# Altium PCB H3_PCB_20191213_V2.PcbDoc (part 3 of 4)
Units mil, origin at the board's own origin, x right, y up, seen from the top; angles counter-clockwise.
Board outline 3705.03 x 2350.03 mil, 4 copper layers (Top Layer, PWR, GND, Bottom Layer), stack 30.634 mil thick; 134 components, 150 nets, 995 pads, 670 vias.
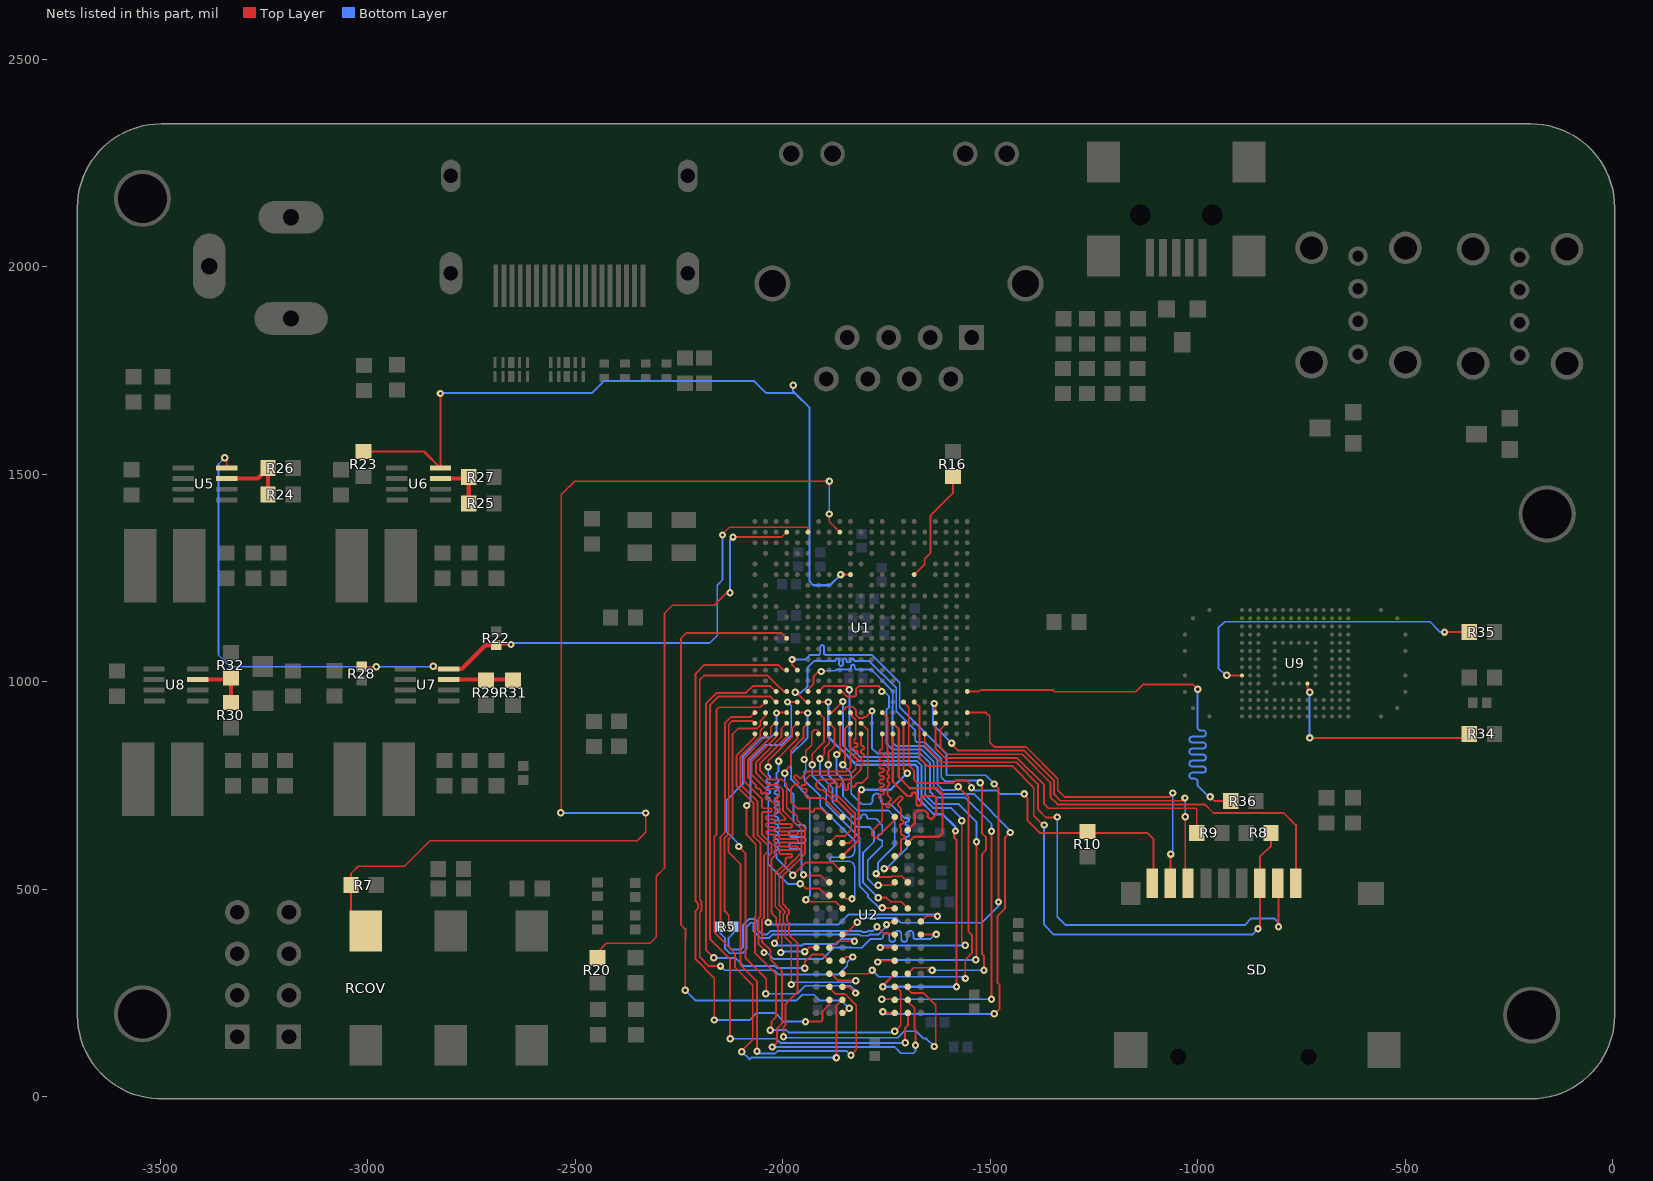
[diagram p5: the nets of this part, all layers, seen from the top]

## Via types
v1: diameter 17.72, hole 7.87, Top Layer to Bottom Layer, 666 vias
v2: diameter 25.59, hole 15.75, Top Layer to Bottom Layer, 4 vias

## Nets (pads, with @x,y where several pads share a name; then routed paths per layer and width w, separated by ;. In a path a pad name is that pad's centre, name@x,y a point inside that pad or via, vN(x,y) a via of type N, cw(c..) or ccw(c..) an arc to the next point about the centre after c; other vN are vias at no path point) (continued)
NetR16_1: R16.1 U1.F6 | length 274.8
  Top Layer w4.5: U1.F6@-1683.23,1258.54 -1657.76,1284.01 -1657.76,1297 -1644.21,1310.55 -1644.21,1400.79 -1590,1455 R16.1@-1590,1494.69
NetR24_2: R24.2 R26.1 U5.7 | length 173.5
  Top Layer w10: U5.7@-3340,1490 -3265.31,1490 R26.1@-3240.31,1515 R24.2@-3240.32,1451.5
NetR25_2: R25.2 R27.1 U6.7 | length 133.1
  Top Layer w10: U6.7@-2825,1490 -2759.84,1490 R27.1@-2756.57,1493.27 R25.2@-2756.57,1430
NetR29_2: R29.2 R31.1 U7.7 | length 155.8
  Top Layer w10: U7.7@-2805,1005.67 -2651.96,1005.67 R31.1@-2650,1003.71
NetR30_2: R30.2 R32.1 U8.7 | length 140.2
  Top Layer w10: U8.7@-3410,1005.67 R32.1@-3337.6,1005.67 ; R30.2@-3330,950.32 -3330,998.06 R32.1@-3337.6,1005.67 ; R32.1@-3330,1009.69 -3334.02,1005.67 R32.1@-3337.6,1005.67
NetR34_1: R34.1 U9.T5 | length 524.1
  Top Layer w4.5: U9.T5@-735.5,995.8 -735.5,976.5 -734,975 v1(-730,975) ; v1(-730,865) -354.99,865 R34.1@-345.31,874.68
  Bottom Layer w4.5: v1(-730,865) v1(-730,975)
NetR35_1: R35.1 U9.H6 | length 783.5
  Top Layer w4.5: v1(-930,1015.69) -929.81,1015.5 U9.H6@-893,1015.5 ; v1(-405,1120) R35.1@-345.31,1120
  Bottom Layer w4.5: v1@-929.31,1015 v1(-930,1015.69) -932.69,1015.69 -950,1033 -950,1130 -935,1145 -440,1145 -415,1120 v1(-405,1120)
NetR36_1: R36.1 U1.A17 | length 1165.9
  Top Layer w4.5: U1.A17@-1555.27,977.05 -1526.95,977.05 -1524,980 -1348.42,980 -1344.77,976.35 -1149.02,976.35 -1131.57,993.8 -1011.51,993.8 v1(-1000,982.29) ; v1(-970,723.1) -959.4,712.5 R36.1@-920.31,712.5
  Bottom Layer w4.5: v1(-1000,982.29) -1000,890 ccw(c-992.75,890) -992.75,882.75 -987.25,882.75 cw(c-987.25,875.5) -980,875.5 cw(c-987.25,875.5) -987.25,868.25 -1000,868.25 -1012.75,868.25 ccw(c-1012.75,861) -1020,861 ccw(c-1012.75,861) -1012.75,853.75 -1000,853.75 -987.25,853.75 cw(c-987.25,846.5) -980,846.5 cw(c-987.25,846.5) -987.25,839.25 -1000,839.25 -1012.75,839.25 ccw(c-1012.75,832) -1020,832 ccw(c-1012.75,832) -1012.75,824.75 -1000,824.75 -987.25,824.75 cw(c-987.25,817.5) -980,817.5 cw(c-987.25,817.5) -987.25,810.25 -1000,810.25 -1012.75,810.25 ccw(c-1012.75,803) -1020,803 ccw(c-1012.75,803) -1012.75,795.75 -1000,795.75 -987.25,795.75 cw(c-987.25,788.5) -980,788.5 cw(c-987.25,788.5) -987.25,781.25 -1000,781.25 -1012.75,781.25 ccw(c-1012.75,774) -1020,774 ccw(c-1012.75,774) -1012.75,766.75 -1007.25,766.75 cw(c-1007.25,759.5) -1000,759.5 -1000,755 -1000,750 -970,720 v1(-970,723.1)
PWR_DRAM: R23.2 U1.M6 U6.8 | length 1862.3
  Top Layer w5: R23.2@-3010,1555.32 -2864.65,1555.32 U6.8@-2825,1515.67 v1(-2825,1695) ; v1(-1860.5,1258.54) U1.M6@-1836.77,1258.54
  Bottom Layer w5: v1(-2825,1695) -2824.04,1695.96 -2460,1695.96 -2430.96,1725 -2069.04,1725 -2040,1695.96 -1970.42,1695.96 ; v1(-1974.47,1715) -1975,1714.47 -1975,1700.53 -1970.42,1695.96 ; v1(-1860.5,1258.54) -1886.09,1232.95 -1926.14,1232.95 -1935.29,1242.1 -1935.29,1660.83 -1970.42,1695.96
PWR_LED: R20.1 U1.V2 | length 1408.6
  Top Layer w4: R20.1@-2446.52,335.31 -2446.52,348.6 -2425.12,370 -2320,370 -2305,385 -2305,531.63 -2285,551.63 -2285,1165.5 -2265.5,1185 -2165,1185 -2135,1215 v1(-2127.12,1215) ; v1(-2120,1349) -2002.21,1349 U1.V2@-1990.31,1360.9
  Bottom Layer w4: v1(-2127.12,1215) -2127.12,1341.88 v1(-2120,1349)
PWR_STB: R22.2 R28.2 U1.T2 U5.8 U7.8 | length 2268.8
  Top Layer w4: v1(-3345,1540) -3340,1535 U5.8@-3340,1515.67 ; R28.2@-3015,1036.73 v1(-2979.46,1036.73) ; v1(-2842.54,1038) -2835.87,1031.33 U7.8@-2805,1031.33 ; R22.2@-2690,1088.27 -2688.27,1090 v1(-2655,1090) ; v1(-2145,1353.86) -2145,1356 -2128.36,1372.64 -2072.19,1372.64 -2072.02,1372.81 -1985.38,1372.81 -1985.21,1372.64 -1969.82,1372.64 -1969.65,1372.81 -1941.8,1372.81 -1939.13,1370.13 U1.T2@-1939.13,1360.9
  Top Layer w10: U7.8@-2805,1031.33 -2773.67,1031.33 -2716.73,1088.27 R22.2@-2690,1088.27
  Bottom Layer w4: v1(-3345,1540) -3360,1525 -3360,1065 -3331.73,1036.73 v1(-2979.46,1036.73) -2841.27,1036.73 v1(-2842.54,1038) ; v1(-2655,1090) -2651.25,1093.75 -2176.17,1093.75 -2158,1111.92 -2158,1233 -2145,1246 v1(-2145,1353.86)
RECOVERY: R7.2 RCOV.1 U1.N2 | length 2716.6
  Top Layer w4: RCOV.1@-3005,400 -3040.32,435.32 R7.2@-3040.32,510 -3040.32,538.26 -3022.97,555.6 -2911.65,555.6 -2850,617.25 -2350.27,617.25 -2330,637.52 v1(-2330,684) ; v1(-2535,684.5) -2533.48,686.02 -2533.48,1451.52 -2501.39,1483.61 v1(-1887.48,1483.61) ; v1(-1888.13,1404.66) -1888.13,1386.67 U1.N2@-1862.36,1360.9
  Bottom Layer w4: v1(-2535,684.5) -2534.5,684 v1(-2330,684) ; v1(-1888.13,1404.66) -1888.13,1482.96 v1(-1887.48,1483.61)
SA0: U1.T17 U2.N3 | length 1432.2
  Top Layer w4.5: U1.T17@-1939.13,977.05 -1939.13,981.38 -1926.19,994.31 -1926.19,1012.74 -1913.93,1025 v1@-1908.64,1025 ; U2.N3@-1855.98,296.54 -1793.04,296.54 v1(-1784.57,305) ; v1(-1577.04,746.96) -1551.96,721.88 -1551.96,398.09 -1544,390.13 -1544,346.27 -1560,330.27 -1560,284.71 v1(-1559.71,285)
  Bottom Layer w4.5: v1(-1907.45,1025) -1905.55,1026.9 -1872.87,1026.9 -1869.77,1030 -1840,1030 ccw(c-1840,1034.5) -1835.5,1034.5 -1835.5,1037 cw(c-1831,1037) -1831,1041.5 cw(c-1831,1037) -1826.5,1037 -1826.5,1034.5 ccw(c-1822,1034.5) -1822,1030 -1820,1030 -1787.23,1030 -1734.94,977.72 -1734.94,941.68 -1735,941.63 -1735,852.99 -1727.65,845.64 -1661.7,845.64 -1627,810.94 -1627,752 -1614,739 -1585,739 v1(-1577.04,746.96) ; v1(-1784.57,305) -1768.97,289.39 v1@-1559.71,289.39
SA1: U1.U18 U2.P7 | length 1349.3
  Top Layer w4.49: v1(-2086.99,702) -2086.99,631.02 -2065,609.03 -2065,435.4 -2067.1,433.3 -2067.1,347.1 -2016.46,296.46 -2016.46,191.92 -2026.85,181.53 -2026.85,163.52 v1(-2029.77,160.6) ; v1(-1988.54,951.46) v1@-1985,951.46 ; v1(-1730,157.93) -1715.38,172.54 -1715.38,254.11 -1726.32,265.04 U2.P7@-1730,265.04
  Top Layer w4.5: v1@-1985,951.46 U1.U18@-1964.72,951.46
  Bottom Layer w4.49: v1(-2086.99,702) -2077.99,710.99 -2077.99,812.45 -2042.45,847.99 -2002.45,847.99 -1979.39,871.06 -1979.39,942.31 v1(-1988.54,951.46) ; v1(-2029.77,160.6) -1991.54,160.6 -1985.94,155 -1730,155 v1(-1730,157.93)
SA2: U1.V19 U2.P3 | length 1085.1
  Top Layer w4.5: v1(-2106.17,603.25) -2090,587.08 -2090,335 -2039.71,284.71 -2039.71,249.69 v1(-2040.95,248.45) ; v1(-2015,925) -2014.13,925.87 U1.V19@-1990.31,925.87 ; U2.P3@-1855.98,265.04 -1839.43,265.04 v1(-1824.39,250)
  Bottom Layer w4.5: v1(-2106.17,603.25) -2100,603.25 -2135,638.25 -2135,715 -2095.99,754.01 -2095.99,819.91 -2049.91,865.99 -2029.01,865.99 -2015,880 v1(-2015,925) ; v1(-2040.95,248.45) -1964.55,248.45 -1945.26,267.74 -1836.78,267.74 -1824.39,255.35 v1(-1824.39,250)
SA3: U1.V20 U2.N2 | length 989.1
  Top Layer w4.5: U1.V20@-1990.31,900.28 -2002.97,887.63 -2002.97,867.49 -2064,806.46 -2064,779.86 -2035.64,751.5 -2010.8,751.5 -1999.31,740.01 -1999.31,689.12 -1954.42,644.23 -1954.42,589.01 -1975.16,568.27 -1976.07,568.27 -2008.5,535.84 -2008.5,461.21 -1993.8,446.51 -1993.8,444.59 -1998.61,439.78 -1998.61,420.22 -1993.8,415.41 -1993.8,384.23 -1979.39,369.82 v1(-1979.39,270.61) ; U2.N2@-1887.48,296.54 -1882.81,296.54 -1866.27,280 v1(-1823.84,280)
  Bottom Layer w4.5: v1(-1979.39,270.61) -1973.76,276.24 -1827.6,276.24 v1(-1823.84,280)
SA4: U1.V21 U2.P8 | length 1454.6
  Top Layer w4.5: v1(-1998,145) -1998,167.9 -1995.74,170.17 -1994.99,170.17 -1994.99,170.92 -1993.25,172.66 -1993.25,223.75 -1964.28,252.72 -1964.28,369.8 -1985.3,390.82 -1985.3,418.93 -1990.11,423.74 -1990.11,436.26 -1985.3,441.07 -1985.3,450.03 -2000,464.73 -2000,532.32 -1972.55,559.77 -1971.64,559.77 -1945.92,585.49 -1945.92,647.75 -1965.07,666.9 -1965.07,676.07 -1975,686 -1979.66,686 -1990.31,696.65 -1990.31,752.86 -2001.75,764.3 -2032.59,764.3 -2055,786.71 -2055,802.73 -1990.31,867.42 U1.V21@-1990.31,874.68 ; U2.P8@-1698.5,265.04 -1698.5,259.28 -1689.22,250 -1660,250 -1631.05,221.05 -1631.05,125.33 v1(-1635,121.38)
  Bottom Layer w4.5: v1(-1998,145) -1995.32,142.32 -1722.68,142.32 -1707.07,157.93 -1677.93,157.93 -1660.09,140.09 -1653.71,140.09 v1(-1635,121.38)
SA5: U1.Y19 U2.P2 | length 1354.2
  Top Layer w4.5: v1(-2061.85,110) -2061.85,277.85 -2102,318 -2102,561.11 -2131,590.11 -2131,620.3 -2120.61,630.7 -2120.61,874.39 -2107.38,887.62 -2061.85,887.62 -2054.14,895.33 -2054.14,905.52 -2046.73,912.93 -2046.5,912.93 -2041.49,917.95 U1.Y19@-2041.49,925.87 ; U2.P2@-1887.48,265.04 -1887.48,262.48 -1873.17,248.17 -1849.93,248.17 -1822.76,221.01 -1822.76,112.84 v1(-1835.61,100)
  Bottom Layer w4.5: v1(-2061.85,110) -2056.24,104.39 -2017.94,104.39 -2012.34,110 -1845.61,110 v1(-1835.61,100)
SA6: U1.Y20 U2.R8 | length 1352.9
  Top Layer w4.5: U1.Y20@-2041.49,900.28 -2041.49,895.26 -2054.14,882.6 -2054.14,867.22 -2102,819.37 -2102,752.89 -2061,711.89 -2061,631.1 -2036.25,606.35 -2036.25,590.36 -2045,581.6 -2045,431.37 -2050.11,426.26 -2050.11,374.24 -2029.89,354.02 -2029.89,341.51 -2030,341.4 -2030,331.75 -2001.75,303.5 -2001.75,176.18 -2014.16,163.77 -2014.16,130.25 -2024.41,120 v1(-2025,120) ; U2.R8@-1698.5,233.54 -1698.5,229.62 -1682.27,213.39 -1682.27,165 -1680,162.73 v1(-1680,124.41)
  Bottom Layer w4.5: v1(-2025,120) -1730,120 -1715,105 -1685,105 -1680,110 v1(-1680,124.41)
SA7: U1.V15 U2.R2 | length 1425
  Top Layer w4.5: v1(-2165,185) -2165,286.16 -2210,331.16 -2210,447.93 -2204.39,453.53 -2204.39,466.47 -2210,472.07 -2210,1020 -2189.11,1040.89 -2010.66,1040.89 -1998,1028.23 U1.V15@-1990.31,1028.23 ; v1(-1945,181.12) -1908.88,181.12 -1903.73,186.27 -1903.73,206.48 -1887.48,222.73 U2.R2@-1887.48,233.54
  Bottom Layer w4.5: v1(-2165,185) -2080,185 -2062.95,202.05 -2018.4,202.05 -1997.47,181.12 v1(-1945,181.12)
SA8: U1.W18 U2.T8 | length 1498.6
  Top Layer w4.5: v1(-2126.73,140) -2126.73,331.73 -2175,380 -2175,945 -2155.6,964.4 -2029.4,964.4 -2016.46,951.46 U1.W18@-2015.9,951.46 ; v1(-1705,130) -1705,165.4 -1698.5,171.9 U2.T8@-1698.5,202.05
  Bottom Layer w4.5: v1(-2126.73,140) -2015.08,140 -2004.47,129.39 -1705.61,129.39 v1(-1705,130)
SA9: U1.Y18 U2.R3 | length 1385.4
  Top Layer w4.5: v1(-2098.8,108.8) -2100,110 -2072.33,137.67 -2072.33,269.33 -2115,312 -2115,346.13 -2165,396.13 -2165,626.76 -2160,631.76 -2160,932.41 -2153.61,938.81 -2054.14,938.81 U1.Y18@-2041.49,951.46 ; v1(-1870.61,94.39) -1870.61,218.92 U2.R3@-1855.98,233.54
  Bottom Layer w4.5: v1(-2098.8,108.8) -2080,90 -2075.61,94.39 v1(-1870.61,94.39)
SA10: U1.P19 U2.L7 | length 1104.2
  Top Layer w4.5: U1.P19@-1887.95,925.87 -1881.86,925.87 v1(-1855,952.73) ; v1(-1765.25,360) -1730.47,360 U2.L7@-1730,359.53 ; v1(-1568.39,665.51) -1568.39,373.39 v1(-1560,365)
  Bottom Layer w4.5: v1(-1855,952.73) -1855,847.64 -1817,809.64 -1676.62,809.64 -1665.36,798.38 -1665.36,723.99 -1637.64,696.27 -1594.6,696.27 -1568.39,670.07 v1(-1568.39,665.51) ; v1(-1765.25,360) -1760.25,365 v1(-1560,365)
SA11: U1.N19 U2.R7 | length 1326.9
  Top Layer w4.5: U1.N19@-1862.36,925.87 -1859.78,925.87 -1845.65,940 -1831.42,940 -1823.84,932.41 -1823.84,920.63 -1816.42,913.22 -1805.94,913.22 -1804.15,915 -1800,915 v1(-1785,930) ; v1(-1761.64,235) -1731.46,235 U2.R7@-1730,233.54 ; v1@-1496.81,230 v1(-1496.81,235) v1(-1496.81,640)
  Bottom Layer w4.5: v1(-1785,930) -1785,840 -1772.64,827.64 -1669.16,827.64 -1645,803.48 -1645,735 -1631,721 -1560,721 -1496.81,657.81 v1(-1496.81,640) ; v1(-1761.64,235) -1761.53,235.11 -1496.92,235.11 v1(-1496.81,235)
SA12: U1.R18 U2.N7 | length 1157
  Top Layer w5.78: U1.R18@-1913.54,951.46 v1(-1890,951.46) ; v1(-1758.55,265) -1758.55,267.98 U2.N7@-1730,296.54 ; v1(-1583.5,640.75) -1586.5,637.75 -1586.5,624.51 -1581.25,619.26 v1(-1581.25,265)
  Bottom Layer w5.78: v1(-1890,951.46) -1890,866.99 -1864.26,841.25 -1863.27,841.25 -1822.02,800 -1680.61,800 -1675,794.39 -1675,720 -1636,681 -1614.61,681 -1583.5,649.89 v1(-1583.5,640.75) ; v1(-1758.55,265) v1(-1581.25,265)
SA13: U1.V12 U2.T3 | length 1570.9
  Top Layer w4.5: v1(-2235,257.05) -2235,380.13 -2234.39,380.73 -2234.39,404.18 -2245.21,415 -2245.21,1104.79 -2232.34,1117.66 -2002.97,1117.66 U1.V12@-1990.31,1105 ; U2.T3@-1855.98,202.05 -1855.98,197.1 v1(-1839.7,213.39)
  Bottom Layer w4.5: v1(-2235,257.05) -2210,232.05 -1966.95,232.05 -1953,246 -1924.61,246 -1910.66,232.05 -1858.35,232.05 v1(-1839.7,213.39)
SA14: U1.N17 U2.T7 | length 1456.3
  Top Layer w4.5: U1.N17@-1862.36,977.05 -1857.25,977.05 -1844.59,964.39 -1826.7,964.39 -1823.84,967.25 -1823.84,982.29 -1816.42,989.71 -1768.3,989.71 -1761.64,983.05 v1(-1761.64,977) ; v1(-1758.55,205) -1755.6,202.05 U2.T7@-1730,202.05 ; v1(-1490,200) -1477.5,212.5 -1477.5,270.16 -1482.5,275.16 -1482.5,435.19 -1464.39,453.3 -1464.39,624.1 v1(-1451.49,637)
  Bottom Layer w4.5: v1(-1761.64,977) -1755.63,977 -1743.44,964.81 -1743.44,945.2 -1743.63,945.01 -1743.63,939.29 -1750,932.93 -1750,852.2 -1734.44,836.64 -1665.43,836.64 -1636,807.21 -1636,746 -1619.89,729.89 -1539.89,729.89 -1451.49,641.49 v1(-1451.49,637) ; v1(-1758.55,205) -1753.55,200 v1(-1490,200)
SA15: U1.R17 U2.M7 | length 1260.8
  Top Layer w4.5: U1.R17@-1913.54,977.05 -1900.89,989.71 -1844.71,989.71 -1839.44,984.44 v1(-1839.44,981.32) ; v1(-1771,325) -1767.97,328.03 U2.M7@-1730,328.03 ; v1(-1535,330) -1533.03,331.97 v1(-1533.03,615)
  Bottom Layer w4.5: v1(-1839.44,981.32) v1(-1839.44,981.32) -1839.39,946.26 -1839.44,946.21 -1839.44,844.81 -1813.28,818.64 -1672.89,818.64 -1656.36,802.11 -1656.36,727.72 -1633.91,705.27 -1575.27,705.27 -1533.03,663.03 v1(-1533.03,615) ; v1(-1771,325) -1766,330 -1688.6,330 -1688.49,329.89 -1675.97,329.89 -1675.86,330 -1636.37,330 -1636.26,329.89 -1535.11,329.89 v1(-1535,330)
SBA0: U1.W17 U2.M2 | length 1129.6
  Top Layer w4.5: v1(-2166,335) -2185,354 -2185,947.73 -2159.33,973.4 -2088.64,973.4 -2072.33,989.71 -2029.51,989.71 -2016.85,977.05 U1.W17@-2015.9,977.05 ; v1(-1947,310) -1947,325 -1929.34,342.66 -1902.1,342.66 U2.M2@-1887.48,328.03
  Bottom Layer w4.5: v1(-2166,335) -2165.92,334.92 -2114.92,334.92 -2095.5,315.5 -2019.08,315.5 -2013.59,310 v1(-1947,310)
SBA1: U1.T18 U2.N8 | length 1460.4
  Top Layer w4.5: v1(-1970,975) -1965.88,975 -1964.27,973.4 -1962.67,975 -1960.28,972.62 -1960.28,968.29 -1943.46,951.46 U1.T18@-1939.13,951.46 ; U2.N8@-1698.5,296.54 -1683.88,311.16 -1646.16,311.16 v1(-1640,305) ; v1(-1524,757) -1519.89,752.89 -1519.89,685.48 -1520,685.37 -1520,635 -1510,625 -1510,595 -1520,585 -1520,345 -1515,340 v1(-1515,305)
  Bottom Layer w4.5: v1(-1970,975) -1958.21,975 -1956.6,973.4 -1940,990 -1940,1035 -1925,1050 -1880,1050 -1875,1050 ccw(c-1875,1052) -1873,1052 cw(c-1868.5,1052) -1868.5,1056.5 cw(c-1868.5,1052) -1864,1052 -1864,1050 -1864,1043 ccw(c-1859.5,1043) -1859.5,1038.5 ccw(c-1859.5,1043) -1855,1043 -1855,1050 -1855,1052 cw(c-1850.5,1052) -1850.5,1056.5 cw(c-1850.5,1052) -1846,1052 -1846,1050 ccw(c-1843.43,1050) -1843.43,1047.43 -1839.57,1047.43 ccw(c-1839.57,1050) -1837,1050 -1837,1052 cw(c-1832.5,1052) -1832.5,1056.5 cw(c-1832.5,1052) -1828,1052 ccw(c-1826,1052) -1826,1050 -1819,1050 -1814.5,1050 -1791,1050 -1726.44,985.44 -1726.44,938.16 -1726.5,938.11 -1726.5,929.45 -1680.61,883.56 -1680.61,858.6 -1676.65,854.64 -1657.98,854.64 -1618,814.66 -1618,770 -1608,760 -1586.07,760 -1583.5,762.57 -1529.57,762.57 v1(-1524,757) ; -1650,305 v1(-1640,305) v1(-1515,305)
SBA2: U1.V17 U2.M3 | length 1338.3
  Top Layer w4.5: v1(-2150,315) -2178,315 -2200,337 -2200,445.2 -2195.39,449.81 -2195.39,470.19 -2200,474.8 -2200,1005 -2189.7,1015.3 -2036.25,1015.3 -2010.66,989.71 -1998,977.05 U1.V17@-1990.31,977.05 ; U2.M3@-1855.98,328.03 -1847.02,337 v1(-1831.42,337)
  Bottom Layer w4.5: v1(-2150,315) -2140,305 -2020.61,305 -2010.5,294.89 -1865.13,294.89 -1844.53,315.5 -1844.53,323.9 v1(-1831.42,337)
SCAS: U1.U15 U2.K3 | length 1468
  Top Layer w4.5: v1(-1977.38,1053.82) -1977.38,1040.9 U1.U15@-1964.72,1028.23 ; U2.K3@-1855.98,391.02 -1850.19,391.02 v1(-1820.61,420.61) ; v1(-1490,754.01) -1480,744.01 v1(-1480,469.61)
  Bottom Layer w4.5: v1(-1977.38,1053.82) -1946.18,1053.82 -1935.29,1064.71 -1914.41,1064.71 -1914.12,1065 ccw(c-1914.12,1069.5) -1909.62,1069.5 -1909.62,1084.15 cw(c-1905.12,1084.15) -1905.12,1088.65 cw(c-1905.12,1084.15) -1900.62,1084.15 -1900.62,1069.5 ccw(c-1896.12,1069.5) -1896.12,1065 -1895,1065 -1785,1065 -1717.94,997.94 -1717.94,938.79 -1605,825.84 -1605,775 -1510.99,775 v1(-1490,754.01) ; v1(-1820.61,420.61) -1810.61,430.61 -1726.22,430.61 -1715,419.39 -1520,419.39 -1480,459.39 v1(-1480,469.61)
SCK_N: R5.1 U1.AA20 U2.K7 | length 1131.2
  Top Layer w4.5: v1(-2123.39,410) -2130,416.61 -2130,438 -2140,448 -2140,624.03 -2130,634.03 -2130,897.27 -2121.27,906 -2072.81,906 U1.AA20@-2067.09,900.28 ; v1(-1772.64,410) -1755.91,393.27 -1732.25,393.27 U2.K7@-1730,391.02
  Bottom Layer w4.5: R5.1@-2118.27,410 -2118.27,394.95 -2130.5,382.72 -2130.5,362.11 -2123.39,355 -2100.93,355 -2095.99,359.94 -2095.99,413.73 -2081.32,428.39 -2066.27,428.39 -2061,423.12 -2061,402.49 -2049.88,391.36 -2037.36,391.36 -2028.73,400 -1811.53,400 -1808.53,397 -1797.35,397 -1794.35,400 -1782.25,400 -1772.64,409.61 v1(-1772.64,410)
SCK_P: R5.2 U1.AA19 U2.J7 | length 1162
  Top Layer w4.5: v1(-2145.61,410) -2150,414.39 -2150,626.76 -2139,637.76 -2139,901 -2125,915 -2077.96,915 U1.AA19@-2067.09,925.87 ; v1(-1750,415) -1745.42,415 -1740.15,420.27 -1732.25,420.27 U2.J7@-1730,422.52
  Bottom Layer w4.5: R5.2@-2151.73,410 -2151.73,394.95 -2139.5,382.72 -2139.5,358.38 -2127.12,346 -2097.2,346 -2086.99,356.22 -2086.99,410 -2077.6,419.39 -2070,419.39 -2070,398.76 -2053.6,382.36 -2033.64,382.36 -2025,391 -1815.26,391 -1812.26,388 -1793.62,388 -1790.62,391 -1769.42,391 -1750,410.42 v1(-1750,415)
SCKE0: U1.AA21 U2.K9 | length 1160.3
  Top Layer w4.5: U1.AA21@-2067.09,874.68 -2067.09,867.01 -2111,823.1 -2111,748.39 -2070,707.39 -2070,627.37 -2053.5,610.87 -2053.5,581.6 ; -2054,581.6 -2054,434.39 -2058.61,429.78 -2058.61,368.36 -2045,354.75 v1(-2045,347.76) ; U2.K9@-1667.01,391.02 -1630.34,391.02 v1(-1630,391.36)
  Bottom Layer w4.5: v1(-2045,347.76) -2038.01,347.76 -2022.44,332.19 -1904.01,332.19 -1876.67,359.53 -1833.62,359.53 -1833.49,359.39 -1809.5,359.39 -1788.89,380 -1765,380 ccw(c-1765,387.25) -1757.75,387.25 -1757.75,387.65 cw(c-1750.5,387.65) -1750.5,394.9 cw(c-1750.5,387.65) -1743.25,387.65 -1743.25,380 ccw(c-1736.75,380) -1736.75,373.5 -1735.25,373.5 ccw(c-1735.25,380) -1728.75,380 -1728.75,392.75 cw(c-1721.5,392.75) -1721.5,400 cw(c-1721.5,392.75) -1714.25,392.75 -1714.25,380 ccw(c-1707.75,380) -1707.75,373.5 -1706.25,373.5 ccw(c-1706.25,380) -1699.75,380 -1699.75,392.75 cw(c-1692.5,392.75) -1692.5,400 cw(c-1692.5,392.75) -1685.25,392.75 -1685.25,385.25 ccw(c-1680,385.25) -1680,380 -1644.8,380 -1633.44,391.36 v1(-1630,391.36)
SCKE1: U1.Y21 U2.J9 | length 1016.4
  Top Layer w4.5: U1.Y21@-2041.49,874.68 -2041.49,867.15 -2093,815.64 -2093,761 -2050,718 -2050,713.5 -2050,704.5 -2050,700 ccw(c-2045.5,700) -2045.5,695.5 -2030.81,695.5 cw(c-2030.81,691) -2026.31,691 cw(c-2030.81,691) -2030.81,686.5 -2045.5,686.5 ccw(c-2045.5,682) -2050,682 -2050,677.5 -2050,670 -2050,632.83 -2027.25,610.08 -2027.25,586.63 -2036,577.88 -2036,421 v1(-2035,420) ; U2.J9@-1667.01,422.52 -1654.53,435 v1(-1627,435)
  Bottom Layer w4.5: v1(-2035,420) -2029.89,414.89 -1865.72,414.89 -1841,439.61 -1815,439.61 -1814.5,439.61 -1710.75,439.61 -1710,439.61 -1631.61,439.61 v1(-1627,435) v1@-1625,435
SCS0: U1.W20 U2.L2 | length 1018.3
  Top Layer w4.5: v1(-2020,370) -2020,373 -2010.8,382.2 -2010.8,408.37 -2015.61,413.18 -2015.61,431.48 -2027,442.87 -2027,574.15 -2017.31,583.84 -2017.31,610 -2017.31,614.5 cw(c-2017.31,618.58) -2021.39,618.58 -2021.39,619.42 cw(c-2017.31,619.42) -2017.31,623.5 -2017.31,628 ccw(c-2021.81,628) -2021.81,632.5 -2035.08,632.5 cw(c-2035.08,637) -2039.58,637 cw(c-2035.08,637) -2035.08,641.5 -2021.81,641.5 ccw(c-2021.81,646) -2017.31,646 ccw(c-2021.81,646) -2021.81,650.5 -2036.5,650.5 cw(c-2036.5,655) -2041,655 cw(c-2036.5,655) -2036.5,659.5 -2021.81,659.5 ccw(c-2021.81,664) -2017.31,664 ccw(c-2021.81,664) -2021.81,668.5 -2036.5,668.5 cw(c-2036.5,673) -2041,673 cw(c-2036.5,673) -2036.5,677.5 -2021.81,677.5 ccw(c-2021.81,682) -2017.31,682 -2017.31,686.5 -2017.31,690 -2017.31,700 -2017.31,703.65 -2019.57,705.91 -2025.93,712.27 -2031.03,717.37 ccw(c-2032.29,716.1) -2033.56,717.37 cw(c-2036.74,720.55) -2039.93,717.37 cw(c-2036.74,720.55) -2039.93,723.73 -2038.66,725 -2037.84,725.82 ccw(c-2041.02,729) -2037.84,732.18 ccw(c-2041.02,729) -2044.2,732.18 -2045.02,731.36 cw(c-2047.83,734.17) -2050.64,731.36 -2051.39,732.11 cw(c-2048.58,734.92) -2051.39,737.73 -2057.75,744.09 cw(c-2060.56,746.9) -2063.36,744.09 -2064.11,744.84 cw(c-2061.31,747.65) -2064.11,750.45 -2070.48,756.82 -2073.66,760 -2084,770.34 -2084,811.91 -2028.83,867.08 -2028.83,891.17 -2019.72,900.28 U1.W20@-2015.9,900.28 ; U2.L2@-1887.48,359.53 -1882.44,359.53 -1866.97,375 v1(-1827.02,375)
  Bottom Layer w4.5: v1(-2020,370) -2015,365 -1953.37,365 -1950.34,368.03 -1871.23,368.03 -1859.26,380 -1832.02,380 v1(-1827.02,375)
SCS1: U1.W21 U2.L1 | length 1081.6
  Top Layer w4.5: -2018,535.34 -2018,458.69 -2004.86,445.55 -2007.11,443.3 -2007.11,416.7 -2002.3,411.89 -2002.3,350.46 v1(-2005,347.76) ; -2017.5,535.34 -2017.5,538.86 -1993.25,563.11 -1993.25,567.61 -1993.25,572.11 cw(c-1988.75,572.11) -1988.75,576.61 -1981.61,576.61 ccw(c-1981.61,581.11) -1977.11,581.11 ccw(c-1981.61,581.11) -1981.61,585.61 -1993.25,585.61 -2004.31,585.61 cw(c-2004.31,590.11) -2008.81,590.11 cw(c-2004.31,590.11) -2004.31,594.61 -1993.25,594.61 -1967.41,594.61 ccw(c-1967.41,599.11) -1962.91,599.11 ccw(c-1967.41,599.11) -1967.41,603.61 -1993.25,603.61 -2004.31,603.61 cw(c-2004.31,608.11) -2008.81,608.11 cw(c-2004.31,608.11) -2004.31,612.61 -1993.25,612.61 -1967.41,612.61 ccw(c-1967.41,617.11) -1962.91,617.11 ccw(c-1967.41,617.11) -1967.41,621.61 -1993.25,621.61 -2004.31,621.61 cw(c-2004.31,626.11) -2008.81,626.11 cw(c-2004.31,626.11) -2004.31,630.61 -1993.25,630.61 -1967.41,630.61 ccw(c-1967.41,635.11) -1962.91,635.11 ccw(c-1967.41,635.11) -1967.41,639.61 -1993.25,639.61 -2004.41,639.61 cw(c-2004.41,644.11) -2008.91,644.11 cw(c-2004.41,644.11) -2004.41,648.61 -1993.25,648.61 -1981.68,648.61 ccw(c-1981.68,653.11) -1977.18,653.11 ccw(c-1981.68,653.11) -1981.68,657.61 -1993.25,657.61 -2004.41,657.61 cw(c-2004.41,662.11) -2008.91,662.11 cw(c-2004.41,662.11) -2004.41,666.61 -1997.68,666.61 ccw(c-1997.68,671.04) -1993.25,671.04 -1994.15,671.04 -1994.15,671.94 -2007.81,685.6 -2007.81,695.06 -2008.31,695.56 -2008.31,704.56 -2008.31,709.24 ccw(c-2012.63,709.24) -2012.63,713.56 cw(c-2012.63,718.06) -2017.13,718.06 cw(c-2012.63,718.06) -2012.63,722.56 ccw(c-2012.63,726.88) -2008.31,726.88 -2008.31,731.56 -2008.31,736.06 -2014.75,742.5 -2040.95,742.5 -2075,776.55 -2075,808.18 -2015.9,867.28 U1.W21@-2015.9,874.68 ; v1(-1947,350) -1937.47,359.53 U2.L1@-1918.98,359.53
  Bottom Layer w4.5: v1(-2005,347.76) -2002.76,350 v1(-1947,350)
SDC0_CLK: R9.2 U1.D20 | length 834.9
  Top Layer w4.5: U1.D20@-1632.05,900.28 -1632.05,840 -1608.55,816.5 -1434.54,816.5 -1370,751.96 -1370,706 -1359.56,695.56 -1005,695.56 -1002.05,692.61 R9.2@-1002.05,636
SDC0_CMD: R8.1 SD.3 U1.F18 | length 1567.3
  Top Layer w4.5: U1.F18@-1683.23,951.46 -1681.46,951.46 -1670.29,940.29 -1670.29,816.16 -1651.48,797.34 -1447.34,797.34 -1395,745 -1395,677.5 -1370,652.5 v1(-1370,655) ; v1(-854.61,405) -850,409.61 SD.3@-850,515 -850,578.5 -822.95,605.55 R8.1@-822.95,636
  Bottom Layer w4.5: v1(-1370,655) -1370,414.61 -1346.39,391 -868.61,391 v1(-854.61,405)
SDC0_D0: SD.8 U1.A19 | length 857.3
  Top Layer w4.5: U1.A19@-1555.27,925.87 -1510.24,925.87 -1501.2,916.83 -1501.2,854.7 -1490,843.5 -1413.7,843.5 -1337,766.8 -1337,739.08 -1320.48,722.56 -1067.44,722.56 -1060,730 v1(-1060,732.18) ; SD.8@-1066.54,515 -1065,516.54 v1(-1065,585)
  Bottom Layer w4.5: v1(-1065,585) -1065,587.25 -1060,592.25 v1(-1060,732.18)
SDC0_D1: SD.7 U1.D19 | length 990.2
  Top Layer w4.5: v1(-1635,947.73) -1632.05,944.78 U1.D19@-1632.05,925.87 ; v1(-1593.02,852.5) -1593.02,849.46 -1578.57,835 -1419.18,835 -1346,761.82 -1346,728.93 -1330.63,713.56 -1037.14,713.56 -1030.7,720 v1(-1030.7,720.3) ; v1(-1030,675) -1030,521.77 SD.7@-1023.23,515
  Bottom Layer w4.5: v1(-1635,947.73) -1637.64,945.09 -1637.64,897.12 v1(-1593.02,852.5) ; v1(-1030.7,720.3) -1030,719.6 v1(-1030,675)
SDC0_D2: SD.1 U1.C20 | length 1158.3
  Top Layer w4.5: U1.C20@-1606.46,900.28 -1606.46,898.77 -1620,885.23 -1620,842.64 -1602.86,825.5 -1423.01,825.5 -1355,757.49 -1355,722.08 -1337.48,704.56 -982.32,704.56 -961.76,684 -792.39,684 -763.39,655 SD.1@-763.39,515
SDC0_D3: SD.2 U1.E21 | length 1365
  Top Layer w4.5: U1.E21@-1657.64,874.68 -1657.64,845.73 -1618.05,806.15 -1437.38,806.15 -1385,753.77 -1385,692.56 -1365.44,673 -1340,673 v1(-1338.51,674.49) ; SD.2@-806.69,515 -805,513.31 v1(-805,410)
  Bottom Layer w4.5: v1(-1338.51,674.49) -1338.51,434.12 -1318.12,413.73 -886.88,413.73 -870.61,430 -815,430 -805,420 v1(-805,410)
SDC0_DET: R10.1 SD.9 U1.G18 | length 992.5
  Top Layer w4.5: U1.G18@-1708.82,951.46 -1696.16,938.81 -1696.16,798.67 -1683.23,785.73 -1683.23,764.07 -1675.16,756 -1589.37,756 -1583.3,762.07 -1556.8,762.07 -1540,745.27 -1540.27,745 v1(-1545,745) ; v1(-1417.89,730) -1419.78,730 -1419.89,729.89 -1410,720 -1410,665.22 -1380.78,636 -1121.23,636 -1106.73,621.5 -1106.73,518.11 SD.9@-1109.84,515
  Bottom Layer w4.5: v1(-1545,745) -1538.5,738.5 -1484.48,738.5 -1475.87,729.89 -1475.76,730 v1(-1417.89,730)
SDQ0: U1.N20 U2.F8 | length 576.5
  Top Layer w4.5: v1(-1870,825) -1865,825 -1862.36,827.64 U1.N20@-1862.36,900.28 ; v1(-1775,537.93) -1767.07,530 -1737.69,530 -1736.06,531.63 -1713.13,531.63 U2.F8@-1698.5,517.01
  Bottom Layer w4.5: v1(-1870,825) -1870.61,824.39 -1870.61,780.61 -1855,765 -1855,725 -1820,690 -1745,690 -1730,675 -1730,605 -1770.61,564.39 -1770.61,543.53 -1770,542.93 v1(-1775,537.93)
SDQ1: U1.P21 U2.H8 | length 583.4
  Top Layer w4.5: v1(-1910,815) -1900,825 -1900,840 -1887.95,852.05 U1.P21@-1887.95,874.68 ; v1(-1770,480) -1750,480 -1740,470 -1714.49,470 U2.H8@-1698.5,454.02
  Bottom Layer w4.5: v1(-1910,815) -1910,775 -1880,745 -1880,710 -1820,650 -1790,650 -1780,640 -1780,615 -1806.29,588.71 -1806.29,516.29 v1(-1770,480)
SDQ2: U1.P20 U2.F7 | length 587.9
  Top Layer w4.5: v1(-1890,800) -1885,805 -1890,810 -1890,830 -1875,845 -1875,887.33 U1.P20@-1887.95,900.28 ; v1(-1770,510) -1737.01,510 U2.F7@-1730,517.01
  Bottom Layer w4.5: v1(-1890,800) -1890,775 -1870,755 -1870,715 -1825,670 -1820,670 -1815,670 ccw(c-1815,673.75) -1811.25,673.75 cw(c-1804,673.75) -1804,681 cw(c-1804,673.75) -1796.75,673.75 ccw(c-1793,673.75) -1793,670 -1782.25,670 -1775,670 -1760,655 -1760,647.75 -1760,637 cw(c-1763.75,637) -1763.75,633.25 ccw(c-1763.75,626) -1771,626 ccw(c-1763.75,626) -1763.75,618.75 cw(c-1763.75,615) -1760,615 -1760,605 -1765.13,599.87 -1765.25,599.75 -1795,570 -1795,525 -1780,510 v1(-1770,510)
SDQ3: U1.U21 U2.E3 | length 620.8
  Top Layer w4.5: v1(-2010,808.78) -2010,817.73 -1964.72,863.01 U1.U21@-1964.72,874.68 ; v1(-1975.94,534.06) -1945,565 -1880,565 -1863.5,548.5 U2.E3@-1855.98,548.5
  Bottom Layer w4.5: v1(-2010,808.78) -2010.61,808.18 -2010.61,784.39 -2015,780 -2015,765 cw(c-2015,760.5) -2015,756 ccw(c-2015,751.5) -2015,747 cw(c-2015,742.5) -2015,738 ccw(c-2015,733.5) -2015,729 cw(c-2015,724.5) -2015,720 ccw(c-2015,715.5) -2015,711 cw(c-2015,706.5) -2015,702 ccw(c-2015,697.5) -2015,693 cw(c-2015,688.5) -2015,684 ccw(c-2015,679.5) -2015,675 cw(c-2015,670.5) -2015,666 ccw(c-2015,661.5) -2015,657 cw(c-2015,652.5) -2015,648 ccw(c-2015,643.5) -2015,639 cw(c-2015,634.5) -2015,630 ccw(c-2015,625.5) -2015,621 cw(c-2015,616.5) -2015,612 ccw(c-2015,607.5) -2015,603 cw(c-2015,598.5) -2015,594 ccw(c-2015,589.5) -2015,585 -2015,576 -2015,575 -2010,570 -1975,535 v1(-1975.94,534.06)
SDQ4: U1.R19 U2.H7 | length 594.4
  Top Layer w4.5: v1(-1929,800) -1929,824 -1930,825 -1900.6,854.4 -1900.6,912.94 U1.R19@-1913.54,925.87 ; v1(-1760,455.22) -1731.2,455.22 U2.H7@-1730,454.02
  Bottom Layer w4.5: v1(-1929,800) -1929,776 -1930,775 -1895,740 -1895,705 -1815.29,625.29 -1815.29,508.29 -1794.75,487.75 -1794.75,482.25 -1767.71,455.22 v1(-1760,455.22)
SDQ5: U1.T20 U2.F2 | length 622.5
  Top Layer w4.5: v1(-1995,780) -2000,780 -1980,800 -1980,835 -1950,865 -1950,889.41 U1.T20@-1939.13,900.28 ; v1(-1950,535) -1948.4,533.4 -1908.4,533.4 -1892.01,517.01 U2.F2@-1887.48,517.01
  Bottom Layer w4.5: v1(-1995,780) -1995,750 -1974.47,729.47 -1974.47,663.83 -1965.89,655.25 -1952.26,655.25 ; -1951.25,655.25 -1952.26,655.25 ; v1(-1950,535) -1955,540 -1955,553.63 -1954.89,553.74 -1954.89,566.26 -1955,566.37 -1955,590 ccw(c-1962.25,590) -1962.25,597.25 -1977.49,597.25 cw(c-1977.49,604.5) -1984.74,604.5 cw(c-1977.49,604.5) -1977.49,611.75 -1955,611.75 -1952.26,611.75 ccw(c-1952.26,619) -1945.01,619 ccw(c-1952.26,619) -1952.26,626.25 -1955,626.25 -1977.49,626.25 cw(c-1977.49,633.5) -1984.74,633.5 cw(c-1977.49,633.5) -1977.49,640.75 -1955,640.75 -1952.26,640.75 ccw(c-1952.26,648) -1945.01,648 ccw(c-1952.26,648) -1952.26,655.25
SDQ6: U1.U19 U2.H3 | length 613.2
  Top Layer w4.5: U1.U19@-1964.72,925.87 -1940.87,925.87 v1(-1940,925) ; v1(-1944.1,475) -1939.1,470 -1871.97,470 U2.H3@-1855.98,454.02
  Bottom Layer w4.5: v1(-1944.1,475) -1934.39,484.71 -1934.39,541.47 -1935,542.07 -1935,667.57 -1934.85,667.72 -1934.85,719.85 -1980,765 -1980,772.93 -1979.39,773.53 -1979.39,786.47 -1980,787.07 -1980,827.07 -1966.47,840.61 -1964.39,840.61 -1940,865 v1(-1940,925)
SDQ7: U1.U20 U2.G2 | length 586.2
  Top Layer w4.5: v1(-2035,795) -2035,810 -1977.38,867.62 -1977.38,887.62 U1.U20@-1964.72,900.28 ; v1(-1957.63,513.28) -1957.63,515 -1945.01,502.38 -1912.38,502.38 -1895.51,485.51 U2.G2@-1887.48,485.51
  Bottom Layer w4.5: v1(-2035,795) -2035,775 cw(c-2035,770.5) -2035,766 ccw(c-2035,761.5) -2035,757 cw(c-2035,752.5) -2035,748 ccw(c-2035,743.5) -2035,739 cw(c-2035,734.5) -2035,730 ccw(c-2035,725.5) -2035,721 cw(c-2035,716.5) -2035,712 -2035,710 -2035,560 -1988.28,513.28 v1(-1957.63,513.28)
SDQ8: U1.J19 U2.D7 | length 489.7
  Top Layer w4.5: U1.J19@-1760,925.87 -1747.34,913.22 -1747.34,835 -1747.34,830.5 cw(c-1747.34,827.2) -1744.05,827.2 -1744.05,824.8 cw(c-1747.34,824.8) -1747.34,821.5 -1747.34,812.5 cw(c-1747.34,809.2) -1744.05,809.2 -1744.05,806.8 cw(c-1747.34,806.8) -1747.34,803.5 -1747.34,794.5 cw(c-1747.34,791.2) -1744.05,791.2 -1744.05,788.8 cw(c-1747.34,788.8) -1747.34,785.5 -1747.34,776.5 cw(c-1747.34,773.2) -1744.05,773.2 -1744.05,770.8 cw(c-1747.34,770.8) -1747.34,767.5 -1747.34,758.5 cw(c-1747.34,754.19) -1743.03,754.19 -1743.03,753.81 cw(c-1747.34,753.81) -1747.34,749.5 -1747.34,740.5 -1747.34,731.5 -1747.34,727.34 -1744.16,724.16 -1740,720 cw(c-1742.73,717.27) -1740,714.55 -1749.38,705.17 ccw(c-1746.19,701.99) -1749.38,698.81 ccw(c-1746.19,701.99) -1743.01,698.81 -1730.91,710.91 -1718.72,723.1 cw(c-1715.53,719.92) -1712.35,723.1 cw(c-1715.53,719.92) -1712.35,716.74 -1721.36,707.73 ccw(c-1718.18,704.55) -1721.36,701.36 -1718.18,698.18 -1715,695 -1715,690 -1715,684.5 -1715,675.5 -1715,668.51 ccw(c-1712.99,668.51) -1712.99,666.5 cw(c-1712.99,662) -1708.49,662 cw(c-1712.99,662) -1712.99,657.5 -1715,657.5 ccw(c-1715,655.22) -1717.28,655.22 -1717.28,650.78 ccw(c-1715,650.78) -1715,648.5 -1715,639.5 -1715,634.53 ccw(c-1710.97,634.53) -1710.97,630.5 cw(c-1710.97,626) -1706.47,626 cw(c-1710.97,626) -1710.97,621.5 ccw(c-1710.97,617.47) -1715,617.47 -1715,612.5 -1715,603.5 -1715,594.5 -1715,590 -1725,580 U2.D7@-1730,580
SDQ9: U1.H20 U2.C8 | length 446.1
  Top Layer w5.78: U1.H20@-1734.41,900.28 -1720,885.87 -1720,770 -1693.75,743.75 -1628.75,743.75 -1615,730 -1615,635 -1623,627 -1683,627 U2.C8@-1698.5,611.5
SDQ10: U1.H21 U2.B8 | length 445.5
  Top Layer w5.78: U1.H21@-1734.41,874.68 -1734.41,759.41 -1700,725 -1695,725 -1691.91,725 ccw(c-1691.91,727.69) -1689.22,727.69 cw(c-1683.44,727.69) -1683.44,733.47 cw(c-1683.44,727.69) -1677.66,727.69 -1677.66,725 -1677.66,707.08 ccw(c-1671.88,707.08) -1671.88,701.3 ccw(c-1671.88,707.08) -1666.1,707.08 -1666.1,719.22 cw(c-1660.32,719.22) -1660.32,725 -1654.54,725 -1647.64,725 -1635,725 -1630,720 -1630,680 -1640,670 -1645,670 -1650,675 -1650,682.24 -1657.76,690 -1675.52,690 -1682.27,683.25 -1682.27,659.22 U2.B8@-1698.5,642.99
SDQ11: U1.J21 U2.A7 | length 444.9
  Top Layer w4.5: U1.J21@-1760,874.68 -1760,845 -1760,838.55 -1762.25,836.3 -1764.75,836.3 -1767,834.05 -1767,829.55 -1764.75,827.3 -1760,827.3 -1758.59,827.3 -1756.34,825.05 -1756.34,820.55 -1758.59,818.3 -1760,818.3 -1764.75,818.3 -1767,816.05 -1767,811.55 -1764.75,809.3 -1760,809.3 -1758.59,809.3 -1756.34,807.05 -1756.34,802.55 -1758.59,800.3 -1760,800.3 -1764.75,800.3 -1767,798.05 -1767,793.55 -1764.75,791.3 -1760,791.3 -1758.59,791.3 -1756.34,789.05 -1756.34,784.55 -1758.59,782.3 -1760,782.3 -1764.75,782.3 -1767,780.05 -1767,775.55 -1764.75,773.3 -1760,773.3 -1758.59,773.3 -1756.34,771.05 -1756.34,766.55 -1758.59,764.3 -1760,764.3 -1764.75,764.3 -1767,762.05 -1767,757.55 -1764.75,755.3 -1760,755.3 -1758.59,755.3 -1756.34,753.05 -1756.34,748.55 -1758.59,746.3 -1760,746.3 -1764.75,746.3 -1767,744.05 -1767,739.55 -1764.75,737.3 -1760,737.3 -1758.59,737.3 -1756.34,735.05 -1756.34,730.55 -1758.59,728.3 -1760,728.3 -1766.42,728.3 -1768.67,726.05 -1768.67,721.55 -1766.42,719.3 -1762.25,719.3 -1760,717.05 -1760,714.8 -1760,665 -1785,640 -1785,630 -1780,625 -1772.73,625 -1730,667.73 U2.A7@-1730,674.49
SDQ12: U1.L20 U2.C3 | length 482.8
  Top Layer w4.5: U2.C3@-1855.98,611.5 -1840,611.5 -1826,625.5 -1826,683.73 -1866.27,724 -1875.14,724 -1890,738.86 -1890,750 -1884,756 -1870,756 -1869.5,756 -1869.5,750.89 ccw(c-1865,750.89) -1865,746.39 ccw(c-1865,750.89) -1860.5,750.89 -1860.5,751.5 cw(c-1856,751.5) -1856,756 cw(c-1856,751.5) -1851.5,751.5 -1851.5,743.2 ccw(c-1847,743.2) -1847,738.7 ccw(c-1847,743.2) -1842.5,743.2 -1842.5,751.5 cw(c-1838,751.5) -1838,756 cw(c-1838,751.5) -1833.5,751.5 ccw(c-1829,751.5) -1829,747 ccw(c-1829,751.5) -1824.5,751.5 cw(c-1820,751.5) -1820,756 -1809,756 -1795,770 -1795,884.1 U1.L20@-1811.18,900.28
SDQ13: U1.L21 U2.C2 | length 456.4
  Top Layer w4.5: U2.C2@-1887.48,611.5 -1887.48,612.52 -1871.63,628.37 -1849.93,628.37 -1835,643.29 -1835,680 -1867.5,712.5 -1875.66,712.5 -1903.16,740 -1911.9,740 -1920,748.1 -1920,755 -1910,765 -1835,765 -1815,785 -1814.36,785.64 -1811.18,788.82 -1811.18,791.5 -1811.18,797.82 cw(c-1808.5,797.82) -1808.5,800.5 ccw(c-1808.5,805) -1804,805 ccw(c-1808.5,805) -1808.5,809.5 cw(c-1808.5,812.18) -1811.18,812.18 -1811.18,815.82 cw(c-1808.5,815.82) -1808.5,818.5 ccw(c-1808.5,823) -1804,823 ccw(c-1808.5,823) -1808.5,827.5 cw(c-1808.5,830.18) -1811.18,830.18 -1811.18,833.82 cw(c-1808.5,833.82) -1808.5,836.5 ccw(c-1808.5,841) -1804,841 ccw(c-1808.5,841) -1808.5,845.5 cw(c-1808.5,848.18) -1811.18,848.18 -1811.18,850 U1.L21@-1811.18,874.68
SDQ14: U1.M21 U2.A2 | length 426.8
  Top Layer w4.5: U2.A2@-1887.48,674.49 -1907.99,695 -1920,695 -1920.27,695 ccw(c-1920.27,690.77) -1924.5,690.77 cw(c-1929,690.77) -1929,686.27 cw(c-1929,690.77) -1933.5,690.77 ccw(c-1937.73,690.77) -1937.73,695 -1960.5,695 -1965,695 -1980,710 -1980,743.78 -1976.82,746.96 -1971.09,752.69 cw(c-1970.45,752.06) -1969.82,752.69 ccw(c-1966.64,755.88) -1963.46,752.69 ccw(c-1966.64,755.88) -1963.46,759.06 -1964.09,759.69 -1971.38,766.98 cw(c-1968.2,770.16) -1971.38,773.34 cw(c-1968.2,770.16) -1965.01,773.34 -1960.45,768.78 ccw(c-1957.73,771.51) -1955,768.78 -1939.66,784.12 -1845.88,784.12 -1836.77,793.23 U1.M21@-1836.77,874.68
SDQ15: U1.M19 U2.A3 | length 482
  Top Layer w4.5: U2.A3@-1850.51,674.49 U2.A3@-1855.98,674.49 -1855.98,674.99 -1901,720 -1940,720 -1945,725 -1945,732.15 -1943.65,733.5 -1944.1,733.5 -1942.75,734.85 -1942.75,741.15 -1944.1,742.5 -1945,742.5 -1953.07,742.5 -1954.42,743.85 -1954.42,750.15 -1953.07,751.5 -1946.35,751.5 -1945,752.85 -1945,760.5 -1945,765 -1935,775 -1840,775 -1824.11,790.89 -1824.11,795 -1824.11,798.5 -1824.11,806.15 -1822.76,807.5 -1821.53,807.5 -1820.18,808.85 -1820.18,815.15 -1821.53,816.5 -1824.11,816.5 -1826.42,816.5 -1827.77,817.85 -1827.77,824.15 -1826.42,825.5 -1824.11,825.5 -1821.53,825.5 -1820.18,826.85 -1820.18,833.15 -1821.53,834.5 -1824.11,834.5 -1826.42,834.5 -1827.77,835.85 -1827.77,842.15 -1826.42,843.5 -1824.11,843.5 -1821.53,843.5 -1820.18,844.85 -1820.18,851.15 -1821.53,852.5 -1824.11,852.5 -1826.42,852.5 -1827.77,853.85 -1827.77,860.15 -1826.42,861.5 -1825.46,861.5 -1824.11,862.85 -1824.11,870.5 -1824.11,875 -1824.11,908.18 -1832.84,916.9 -1832.84,922.84 -1835.87,925.87 U1.M19@-1836.77,925.87
SDQM0: U1.M20 U2.E7 | length 592.3
  Top Layer w4.5: v1(-1855,800) -1850,800 -1850,887.05 U1.M20@-1836.77,900.28 ; v1(-1755,550) -1731.5,550 U2.E7@-1730,548.5
  Bottom Layer w4.5: v1(-1855,800) -1835,780 -1835,730 -1810,705 -1793,705 ccw(c-1793,714.75) -1783.25,714.75 -1783.25,721.11 cw(c-1773.5,721.11) -1773.5,730.86 cw(c-1773.5,721.11) -1763.75,721.11 -1763.75,714.75 ccw(c-1754,714.75) -1754,705 -1748,705 -1740,705 -1707,672 -1700,672 cw(c-1700,667.5) -1700,663 ccw(c-1700,658.5) -1700,654 cw(c-1700,649.5) -1700,645 ccw(c-1700,640.5) -1700,636 cw(c-1700,631.5) -1700,627 ccw(c-1700,622.5) -1700,618 cw(c-1700,613.5) -1700,609 -1700,600 -1750,550 v1(-1755,550)
SDQM1: U1.G20 U2.D3 | length 436.6
  Top Layer w5.78: U2.D3@-1855.98,580 -1816.36,619.62 -1816.36,733.64 v1(-1810,740) ; U1.G20@-1708.82,900.28 -1708.82,788.82 v1(-1700,780)
  Bottom Layer w5.78: v1@-1815,735 v1(-1810,740) -1740,740 v1(-1700,780)
SDQS0_N: U1.R21 U2.G3 | length 620.8
  Top Layer w3.5: v1(-1948,813) -1944.43,816.57 -1944.43,833.43 -1935.34,842.53 -1930,847.87 -1930,878.69 -1923.69,885 -1918.27,885 -1913.54,880.27 U1.R21@-1913.54,874.68 ; U2.G3@-1855.98,485.51 -1847.47,477 v1(-1833,477)
  Bottom Layer w3.5: v1(-1948,813) -1944.6,809.6 -1944.6,786.82 -1948,783.42 -1948,763.31 -1910,725.31 -1910,700 -1827,617 -1827,591.09 cw(c-1840.25,591.09) -1840.25,577.84 -1881.24,577.84 ccw(c-1881.24,572.59) -1881.24,567.34 -1840.25,567.34 cw(c-1840.25,554.09) -1827,554.09 -1827,483 v1(-1833,477)